# KiCad board FrontEnd_5G.kicad_pcb (continued)
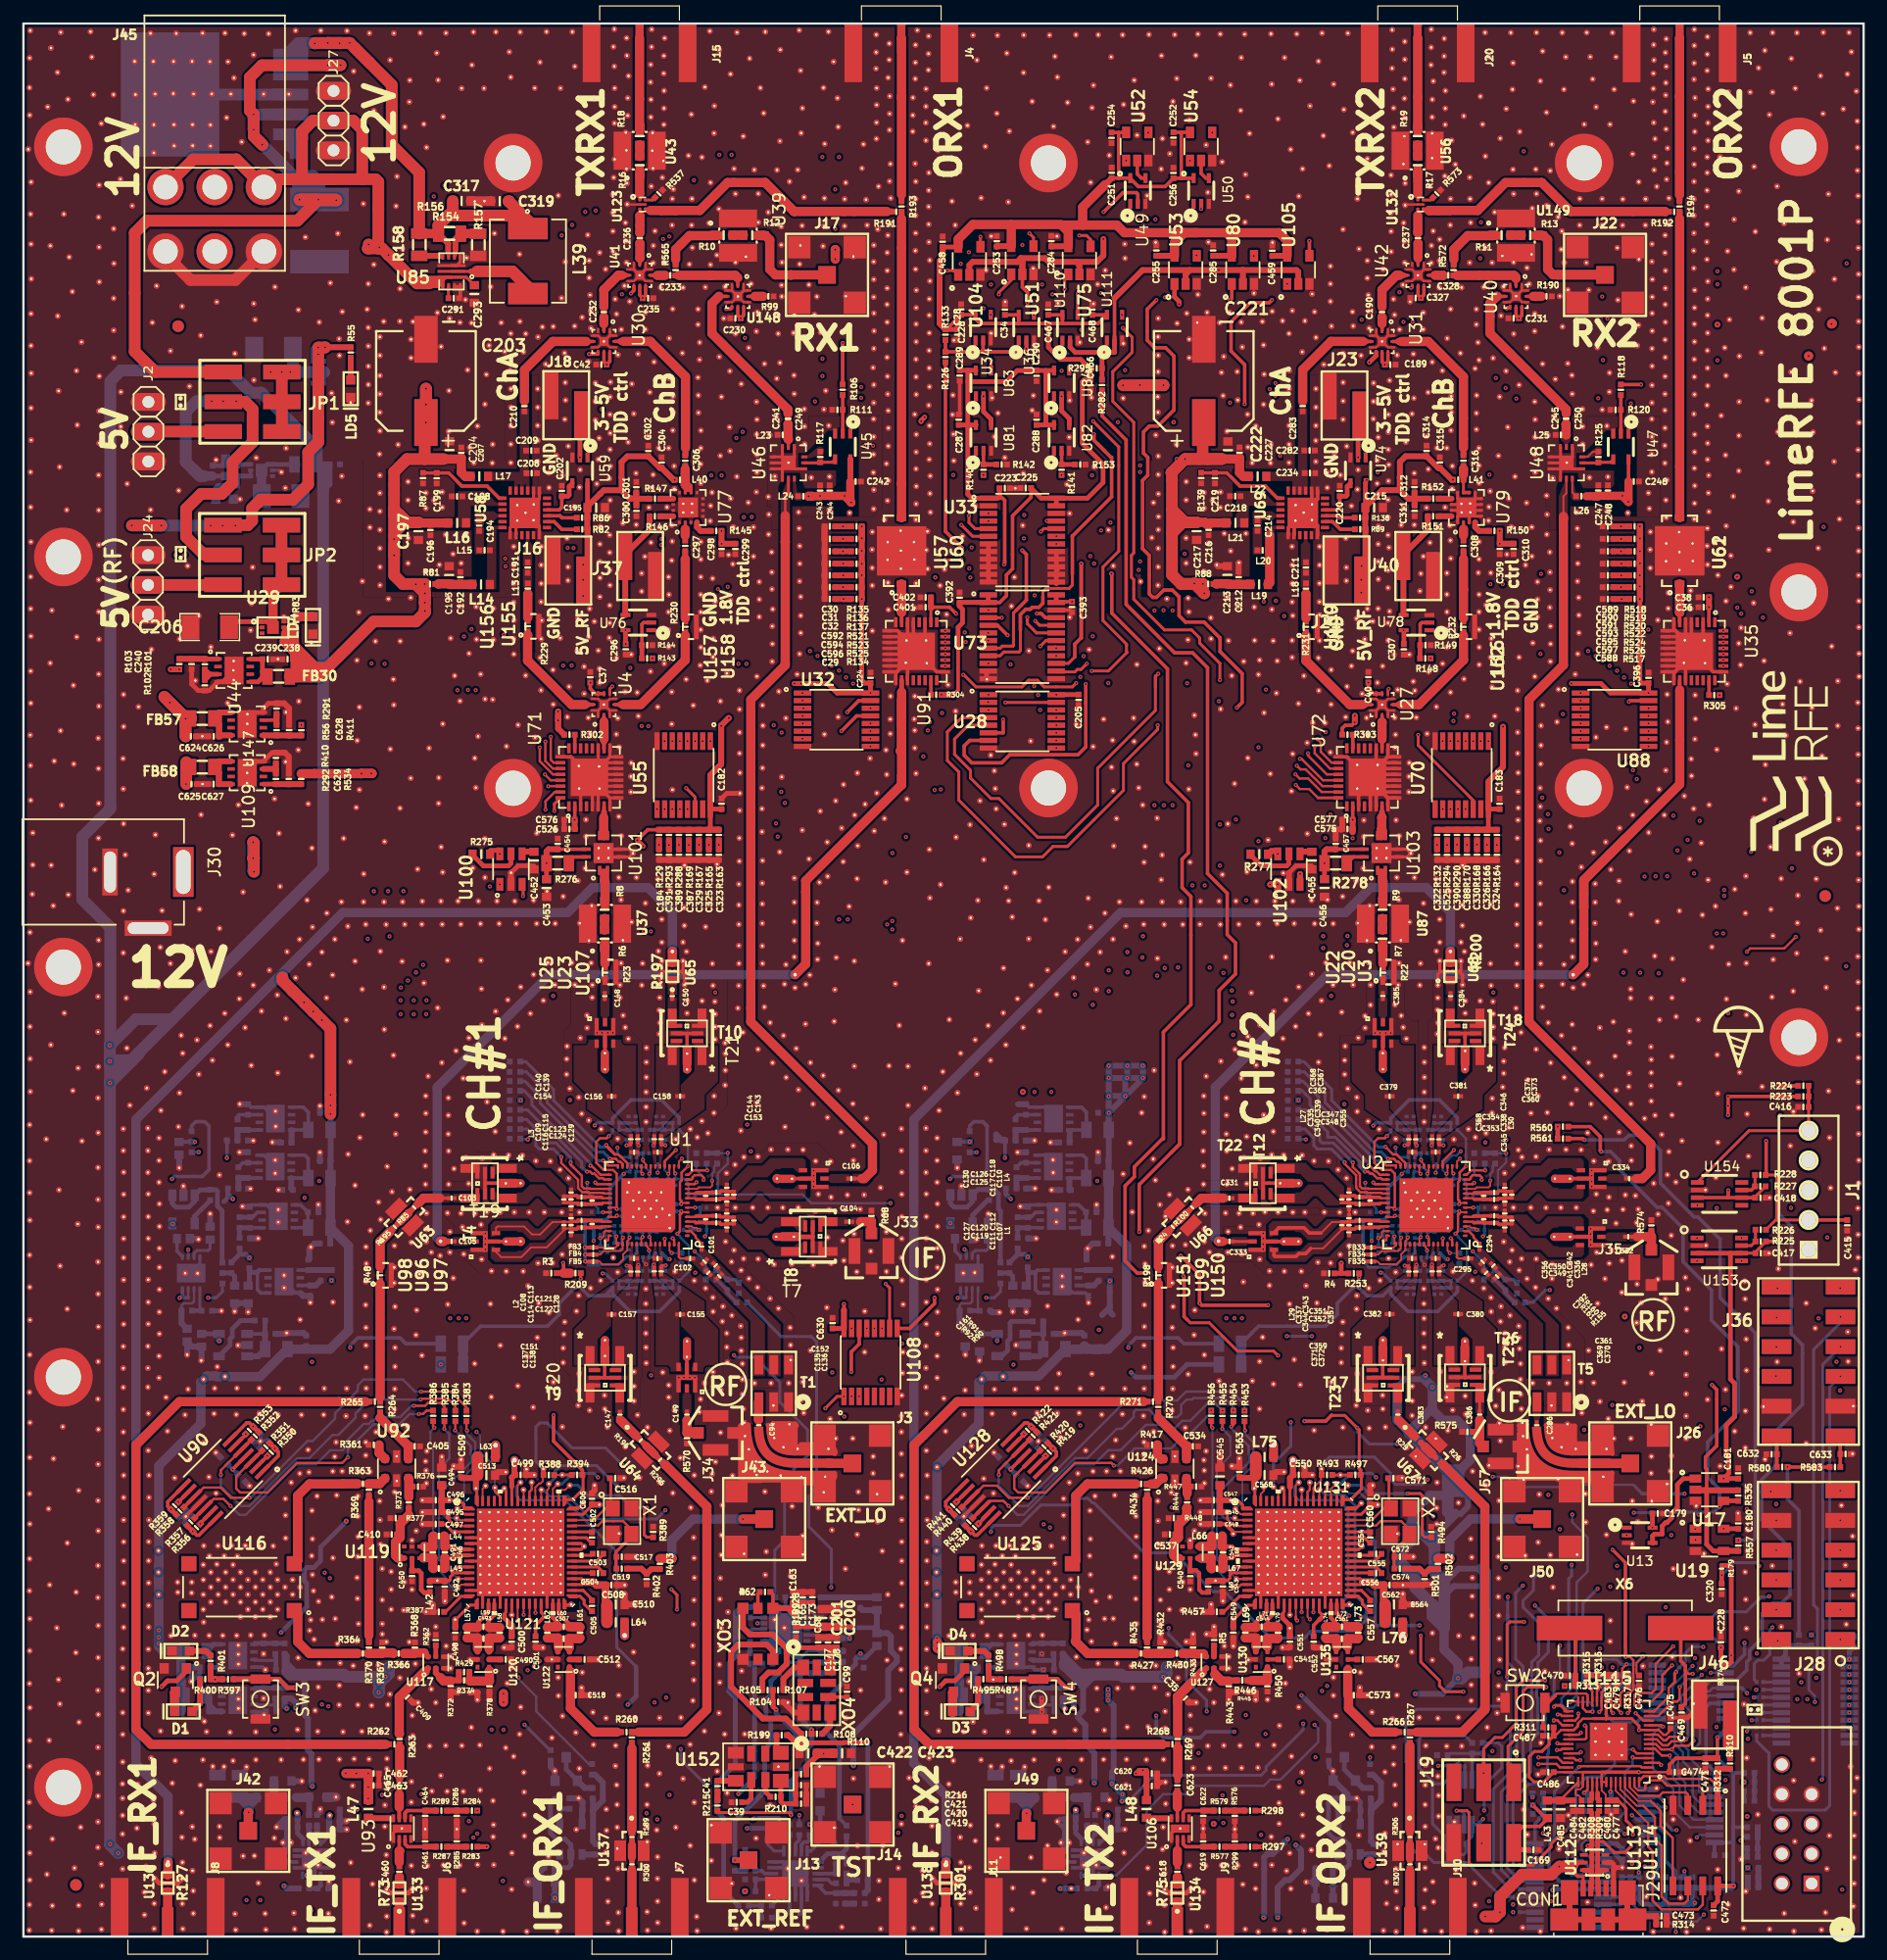
[diagram p0: board, top side]
## Routing (per net, layer and track width the routed paths; a pad name or vN(x,y) marks a point on that pad's centre or on a via; arc(x,y) is an arc through that point) (continued)
EXT_PLL_SSENn: length 88.1
  F.RO w0.3: v2(67.13,9.57) 67.13,9.56
  F.FR4 w0.25: 85.96,5.06 87.49,3.53 89.97,3.53 90.1,3.67 93.91,3.67 94.25,4
  F.FR4 w0.3: 120.82,5.42 120.05,5.42 119.59,4.95 117.03,4.95 116.53,5.45 109.11,5.45 108.45,4.8 107.48,4.8 107.13,5.14 100.74,5.14 100.34,4.75 97.49,4.75 97.38,4.86 95.1,4.86 94.25,4 ; 120.82,5.42 120.85,5.42 ; 120.82,5.42 121.2,5.42 121.82,4.8 122.85,4.8 123.17,5.12 131.31,5.12 132.27,4.16 138.83,4.16 139.21,4.54 140.79,4.54 v2(141.83,5.59) ; 85.96,5.06 80.62,5.06 80.1,5.58 77.83,5.58 76.3,7.11 75.33,7.11 73.67,8.77 68.02,8.77 67.22,9.57 v2(67.13,9.57)
  B2.RO w0.3: U11.3 139.67,9.33 140.2,8.79 140.2,6.45 141.05,5.6 C96.1 C98.1 ; C98.1 141.83,5.11 v2(141.83,5.59) ; C98.1 R71.1
g_TX\rx_1: length 182.5
  F.RO w0.2: 131.67,18.03 131.68,18.03 ; 131.41,18.03 130.98,18.46 v2(130.68,18.46) ; 131.41,18.03 U115.32 131.41,18.03
  F.RO w0.25: v2(107.13,49.59) 106.75,49.97 103.67,49.97 101.26,52.38 99.64,52.38 99.38,52.64 ; v2(119.32,25.68) 119.32,23.44 120.92,21.84 120.92,21.4 121.42,20.9 v2(122.96,20.9) ; 130.68,18.48 130.68,18.38 130.68,18.48
  F.RO w0.3: v1(80.15,118.49) 80.15,118.5 78.73,119.92 R126.2 ; v1(92.91,116.31) 92.86,116.31 92.94,116.31 92.94,112.94 97.69,108.19 97.69,98.56 99.47,96.78 99.47,92.48 98.94,91.95 98.94,89.51 99.69,88.76 99.69,79.54 97.34,77.19 97.34,68.17 ; 97.34,68.17 97.34,68.08 97.31,68.05 ; 97.34,68.17 94.86,65.69 94.86,64.85 94.07,64.06 94.07,57.66 95.1,56.63 v1(95.81,56.63) ; v2(99.05,56.36) 99.11,56.3 99.11,52.91 99.38,52.64
  F.FR4 w0.2: v2(129.75,8.81) 129.99,8.57 132.88,8.57 133.08,8.77 135.08,8.77 v2(135.11,8.74)
  F.FR4 w0.25: 126.08,18.03 125.58,18.53 124.03,18.53 122.94,19.62 122.94,20.88 v2(122.96,20.9) ; 130.49,18.38 130.16,18.05 ; 130.16,18.05 130.14,18.03 128.44,18.03 ; 130.16,18.05 130.57,18.46 ; 130.16,18.05 130.57,18.46 ; 130.57,18.46 v2(130.68,18.46) 130.57,18.46
  F.FR4 w0.3: v1(95.81,56.63) 96.01,56.43 98.98,56.43 v2(99.05,56.36) ; 128.44,18.03 126.08,18.03 ; v1(80.15,118.49) 80.9,117.74 84.25,117.74 84.74,117.25 88.85,117.25 89.79,116.31 v1(92.91,116.31)
  B.FR4 w0.2: 130.4,12.42 130.4,15.59 130.4,15.78 130.4,17.54 130.68,17.82 ; 130.68,17.82 130.68,18.38 ; 130.68,17.82 v2(130.68,18.46)
  B.FR4 w0.25: 116.29,39.99 116.29,40.94 114.44,42.79 111.57,42.79 108.1,46.26 108.1,48.62 v2(107.13,49.59) ; 116.29,39.99 116.29,39.93 ; 116.29,39.99 116.29,38.52 118.14,36.67 118.14,34.77 119.83,33.08 119.83,31.22 119.22,30.61 119.22,28.88 120.25,27.85 120.25,26.61 v2(119.32,25.68) ; v2(129.75,8.81) 130.4,9.46 130.4,12.42
  B2.RO w0.2: R175.1 135.13,8.5 R173.2
  B2.RO w0.3: 135.11,8.53 v2(135.11,8.74) 135.11,8.74 R175.1 135.11,8.53
g_TX\rx_2: length 190.5
  F.RO w0.2: 132.14,17.23 131.93,17.23 ; 131.93,17.23 U115.34 132.82,17.23 v2(132.99,17.4) ; 131.93,17.23 132.63,17.23
  F.RO w0.3: 98.74,74.76 98.74,67.64 ; 98.74,74.76 98.74,67.64 ; 98.74,74.76 102.1,78.12 102.1,80.75 103.5,82.15 103.5,84.8 102.79,85.51 102.79,89.04 101.11,90.72 101.11,108.29 99.84,109.56 98.29,109.56 94.16,113.69 94.16,127.72 92.1,129.78 R282.2 ; 98.74,67.64 97.99,66.9 ; 98.74,67.64 97.99,66.9 ; 97.99,66.9 95.28,64.18 v1(95.28,60.15) ; v2(106.27,53.89) 106.26,53.88 100.61,53.88 v2(100.45,54.04) 100.43,54.06 100.43,56.49 v2(98.82,58.1)
  F.FR4 w0.2: v2(132.99,17.4) 133.03,17.44 128.41,17.44 126.8,15.83 v2(125.43,15.83)
  F.FR4 w0.25: 125.33,31.5 123.74,33.09 121,33.09 119.38,34.71 119.38,35.55 119.69,35.86 v2(120.39,35.86)
  F.FR4 w0.3: 125.33,31.5 v2(126.58,31.5) ; v2(98.82,58.1) 98.81,58.11 95.43,58.11 94.83,58.71 94.83,59.7 v1(95.28,60.15)
  B.FR4 w0.2: 133.74,16.96 133.3,17.4 v2(132.99,17.4)
  B.FR4 w0.25: 133.74,16.96 133.74,15.13 134.11,14.76 134.11,13.86 134.74,13.23 134.74,10.17 135.17,9.74 135.56,9.74 136.54,8.76 v2(136.73,8.76) ; 119.83,38.25 120.1,37.98 120.1,36.15 v2(120.39,35.86) ; 127.6,18 127.6,20.6 128.05,21.05 128.05,23.19 129.7,24.84 129.7,27.68 130.06,28.04
  B.FR4 w0.3: v2(100.45,54.04) 100.46,54.05 100.46,56.24 98.82,57.88 v2(98.82,58.1) ; v2(106.27,53.89) 110.48,49.68 110.48,45.3 112.7,45.3 113.76,44.24 115.01,44.24 115.69,43.56 115.69,42.58 118.34,39.93 118.34,38.68 118.77,38.25 119.83,38.25 ; 130.06,28.04 130.06,29.56 128.12,31.5 v2(126.58,31.5) ; 127.6,18 127.21,17.61 127.21,17.12 125.92,15.83 v2(125.43,15.83)
  B2.RO w0.2: R173.1 135.39,9.36 R176.1
  B2.RO w0.25: v2(136.73,8.76) 136.44,9.06 R173.1
IF_IN_A_#1: length 2
  F.RO w0.5: 72.37,61.01 R68.2
  F.RO w0.79: 71.48,61.01 72.37,61.01 R68.2 J33.1
IF_IN_C_#1: length 3.3
  F.RO w0.79: U63.1 30.46,59.32 U96.2
IF_IN_C_#2: length 4.4
  F.RO w0.5: 96.9,59.31 97.7,60.11 U66.1
  F.RO w0.79: U66.1 96.9,59.33 96.92,59.31 U99.2
IF_OUT_A_#2: length 3.7
  F.RO w0.4: 124.35,42.11 J57.1 ; C386.2 124.35,44.1
  F.RO w0.5: 124.35,43.38 124.04,43.07 R575.2
  F.RO w0.79: J57.1 124.35,42.11 124.35,44.1
IF_OUT_B_#1: length 124.9
  F.RO w0.79: 55.42,84.07 55.41,84.06 R197.1 ; R127.2 12.32,5.27 12.35,5.3 12.35,6.36
  B2.RO w0.79: 55.42,84.07 55.42,87.44 53.34,89.52 48.59,89.52 46.46,87.39 27.27,87.39 9.61,69.73 9.61,14.71 12.35,11.97 12.35,6.36 12.34,6.37
IF_OUT_B_#2: length 125.1
  F.RO w0.79: 121.85,84.07 121.84,84.06 R200.1 ; 78.79,6.35 78.76,6.32 R301.2
  B2.RO w0.79: 76.03,18.11 76.03,17.76 ; 76.03,18.11 76.02,18.1 76.02,14.81 78.79,12.04 78.79,6.35 ; 76.03,18.11 76.03,69.72 93.7,87.39 112.9,87.39 115.04,89.53 119.78,89.53 121.85,87.46 121.85,84.07
IF_OUT_D_#1: length 29.6
  F.RO w0.5: R260.1 52.53,17.45
  F.RO w0.79: 58.36,35.49 58.36,19.38 56.43,17.45 52.53,17.45 ; 58.36,35.49 58.36,36.7 U64.3 ; 58.36,35.49 58.35,35.5
IF_OUT_D_#2: length 41.3
  F.RO w0.5: 124.8,27.82 124.8,27.35 ; R266.1 118.97,17.45
  F.RO w0.79: 122.87,17.45 124.8,19.38 124.8,27.86 124.8,27.82 ; 122.87,17.45 118.97,17.45 ; 122.87,17.45 124.79,19.37 124.79,36.7 121.25,40.24 U67.3
LMS8001_#1_RESETn: length 157.8
  F.RO w0.15: U1.18 U1.18
  F.RO w0.2: v2(55.71,67.12) 54.76,66.17 U1.18
  F.RO w0.25: v2(61.8,69.3) 61.8,69.28
  F.FR4 w0.2: 132.1,11.25 132.72,11.25 132.94,11.03 134.14,11.03 134.62,11.51 136.98,11.51 137.37,11.12 137.37,10.34 137.32,10.39
  F.FR4 w0.25: v2(108.96,13.19) 113.86,13.19 114.98,12.06 119.88,12.06 120.62,12.81 121.71,12.81 121.88,12.97 130.18,12.97 131.9,11.25 132.1,11.25 ; v2(55.71,67.12) 56.11,67.53 58.81,67.53 60.58,69.3 v2(61.8,69.3) ; v2(54.88,20.4) 55.83,19.45 56.46,19.45 56.82,19.09 58.11,19.09 58.8,19.78 61.02,19.78 62.1,18.69 69.16,18.69 69.99,19.52 71.51,19.52 72.8,18.23 76.6,18.23 77.96,16.87 92.88,16.87 92.88,16.86 94.23,16.86 ; 137.32,10.39 v2(137.35,10.36)
  F.FR4 w0.3: 94.23,16.86 95.23,17.86 95.23,18.31 95.77,18.85 v2(96.73,18.85)
  B.FR4 w0.25: 108.24,13.78 108.83,13.19 v2(108.96,13.19) ; v2(61.8,69.3) 62.34,69.3 63.09,68.55 63.09,66.89 63.37,66.61 63.37,64 62.88,63.5 62.88,59.61 63.41,59.08 63.41,55.12 62.98,54.7 62.98,49.58 61.57,48.17 60.75,48.17 60.61,48.03 60.61,40.62 59.55,39.56 59.55,37.59 56.44,34.48 56.44,29.78 54.88,28.23 v2(54.88,20.4)
  B.FR4 w0.3: v2(103.41,17.48) 104.41,17.48 104.76,17.13 104.76,16.1 105.11,15.75 106.27,15.75 108.24,13.78
  B2.RO w0.25: v2(137.35,10.36) 137.73,9.98 U11.4
  B2.RO w0.3: v2(96.73,18.85) 96.73,17.58 97.33,16.98 100.49,16.98 100.99,17.48 v2(103.41,17.48)
LMS8001_#1_SSENn: length 161.9
  F.RO w0.15: v2(58.81,64.5) 58.81,64.09 58.66,63.94 57.66,63.94 57.53,63.81 U1.11
  F.FR4 w0.25: 108.66,9.53 109.93,9.53 110.54,8.93 112.26,8.93 113.12,8.07 116.59,8.07 117.06,8.54 119.87,8.54 120.46,9.13 126.13,9.13 128.04,7.22 130.51,7.22 130.88,6.85 133.18,6.85 133.7,6.33 134.23,6.33 135.31,5.25 136.93,5.25 137.09,5.41 137.88,5.41 v2(137.94,5.47) ; 108.66,9.53 107.97,10.23 ; 108.66,9.53 107.97,10.23 ; 107.97,10.23 106.61,10.23 106.16,9.78 102.55,9.78 102.47,9.7 v2(102.46,9.7) ; v2(53.89,19.99) 54.06,19.99 55.15,18.9 55.15,18.36 55.69,17.81 57.31,17.81 57.79,18.3 59.12,18.3 59.43,17.99 63.54,17.99 63.93,17.6 66.22,17.6 66.87,18.25 68.09,18.25 69,17.34 72.65,17.34 73.45,16.53 76.35,16.53 76.97,15.92 97.57,15.92 97.83,15.66 v2(100.34,15.66)
  B.FR4 w0.2: 59.98,62.96 61,63.98 61,65.17 61.39,65.56 61.39,65.96 60.94,66.41 60.94,67.38 60.61,67.71 59.75,67.71 58.91,66.86 58.91,64.61 58.81,64.51 v2(58.81,64.5)
  B.FR4 w0.25: v2(53.89,19.99) 53.89,37.38 55.16,38.65 55.16,41.37 58.66,44.86 58.66,47.54 57.57,48.63 57.57,55.48 58.92,56.83 58.92,59.69 59.98,60.75 59.98,62.96 ; v2(100.34,15.66) 100.59,15.41 100.59,11.74 102.46,9.87 v2(102.46,9.7)
  B2.RO w0.2: v2(58.81,64.5) 58.81,65.09 58.98,65.27 58.98,65.72 R211.1 ; R58.1 C47.1 C48.1
  B2.RO w0.25: v2(137.94,5.47) R58.1 137.94,7.37 U11.1
LMS8001_#2_RESETn: length 81.3
  F.RO w0.2: v2(122.15,67.12) 121.2,66.17 U2.18
  F.FR4 w0.25: v2(124.83,67.78) 125.04,67.99 v2(126.62,67.99) ; v2(145.34,13.36) 145.34,13.27 v2(141.16,9.09)
  B.FR4 w0.2: 141.62,23.72 141.62,22.98 141.87,22.73 141.87,22.03 143.97,19.93 143.97,14.7 145.3,13.36
  B.FR4 w0.25: 128.3,68.38 128.59,68.38 129.68,67.28 129.68,66.7 131,65.38 131.4,65.38 131.4,63.83 132.01,63.22 132.01,61.59 132.97,60.64 132.97,56.59 135.47,54.09 135.47,49.99 140.46,45 140.46,42.56 141.95,41.08 141.95,39.75 141.01,38.81 141.01,35.16 141.51,34.66 141.51,32.25 141.58,32.18 141.58,30.87 141.46,30.75 141.46,26.06 141.62,25.9 141.62,23.72 ; 128.3,68.38 128.28,68.38 ; 128.3,68.38 127.35,68.38 126.96,67.99 v2(126.62,67.99) ; v2(124.83,67.78) 124.65,67.59 122.62,67.59 v2(122.15,67.12) ; 145.3,13.36 v2(145.34,13.36)
  B2.RO w0.25: v2(141.16,9.09) 140.79,9.09 140.07,9.81 140.07,10.31 139.76,10.62 U11.5
LMS8001_#2_SSENn: length 85.9
  F.RO w0.15: v2(125.25,64.5) 125.25,64.09 125.1,63.94 124.1,63.94 123.97,63.81 U2.11
  B.FR4 w0.25: 139.55,28.58 139.54,28.56 139.54,28.05 ; 139.54,28.05 139.54,26.9 138.86,26.22 138.86,21.14 139.1,20.9 139.1,18.34 138.62,17.86 138.62,14.61 138.73,14.5 138.73,13.66 138.22,13.15 138.22,11.63 138.73,11.12 138.73,6.26 v2(138.45,5.99) ; 139.54,28.05 139.54,31.04 138.98,31.6 138.98,33.75 139.77,34.54 139.77,35.27 139.45,35.59 138.86,35.59 138.15,36.3 138.15,44.46 132.88,49.73 132.88,54.83 131.36,56.34 131.36,60.56 130.61,61.31 130.61,62.96 128.46,65.11 128.46,67.14 127.9,67.7 127.38,67.7 127.07,67.39 126.17,67.39 125.44,66.65 125.44,64.69 v2(125.25,64.5)
  B2.RO w0.2: R255.1 125.47,65.76 125.47,65.31 125.25,65.09 v2(125.25,64.5) ; R61.1 C56.1 C83.1
  B2.RO w0.25: 139.48,5.82 139.32,5.99 v2(138.45,5.99)
  B2.RO w0.3: C56.1 139.48,5.82 139.67,6.01 139.67,8.48 139.48,8.68 U11.2
MISO_2: length 212.3
  F.RO w0.15: R388.1 44.36,39.34 44.36,38.88 44.15,38.67 44.04,38.67 43.71,38.34 43.71,38.01 U121.54 ; R493.1 110.8,39.34 110.8,38.94 110.15,38.29 U131.54
  F.RO w0.2: v2(140.78,23.15) 139.95,22.31 139.95,20.98 139.04,20.07 U115.15 137.96,20.35
  F.RO w0.25: 110.81,39.45 R493.1 ; 44.37,40.02 44.36,40.03 ; v2(144.82,36.68) 145.17,37.03 145.17,37.19 ; J19.1 127.27,14.17 126.77,14.67 126.77,16.23 128.06,17.52 128.06,20.94 128.41,21.29 v2(130.03,21.29) ; R388.1 44.37,39.43
  F.RO w0.3: v2(134.73,66.99) 134.65,67.07 134.65,68.26 133.79,69.12 R560.1
  F.RO w0.4: 44.41,39.9 44.4,39.91 44.4,39.4 R388.1 ; 110.84,39.91 110.84,39.42 R493.1 ; R535.1 146.42,37.19 145.17,37.19
  F.FR4 w0.2: v2(142.73,23.77) 141.46,23.77 ; v2(140.78,23.15) 138.9,21.26 132.36,21.26 131.88,20.78 131.31,20.78 130.81,21.29 v2(130.03,21.29) ; 89.63,40.94 92.06,40.94 92.71,41.59 93.48,41.59 94.64,40.43 96.07,40.43
  F.FR4 w0.25: 110.84,39.91 108.11,42.65 106.31,42.65 105.53,41.87 101.41,41.87 101.32,41.96 100.17,41.96 98.64,40.43 96.07,40.43 ; 141.46,23.77 140.84,23.15 v2(140.78,23.15) ; 89.63,40.94 89.63,42.58 88.14,44.07 84.55,44.07 82.04,41.56 82.04,40.67 79.94,38.57 58.82,38.57 57.13,40.25 v2(51.15,40.25) ; v2(137.51,36.17) 136.66,36.17 135.99,36.84 129.4,36.84 128.81,37.43 127.61,37.43 127.15,37.89 125.47,37.89 125.24,37.66 124.39,37.66 123.44,38.61 121.8,38.61 121.07,39.34 120.25,39.34 v2(119.91,39)
  B.FR4 w0.2: v2(142.73,23.77) 142.69,23.72 142.59,23.82 142.59,25.82 142.76,25.99 142.73,26.01
  B.FR4 w0.25: v2(143.04,36) 143.29,35.75 143.29,33.4 142.92,33.03 142.92,32.23 143.23,31.92 143.23,28.97 142.73,28.47 142.73,26.01
  B2.RO w0.2: 44.4,39.91 44.46,39.91
  B2.RO w0.25: 44.4,39.91 43.76,40.55 43.76,42.54 43.76,42.54 43.76,43.5 44.09,43.83 44.72,43.83 46.86,41.7 49.71,41.7 v2(51.15,40.25) ; 142.87,36.23 141.82,36.23 141.77,36.18 139.17,36.18 139.16,36.17 v2(137.51,36.17) ; 142.87,36.23 143.04,36.06 v2(143.04,36) ; 142.87,36.23 144.37,36.23 v2(144.82,36.68) ; v2(119.91,39) 119.51,38.6 117.16,38.6 116.77,38.99 116.77,39.5 115.34,40.93 111.53,40.93 110.84,40.23 110.84,39.91
  B2.RO w0.3: v2(134.73,66.99) 135.52,66.99 136.29,66.22 136.29,65.45 139.5,62.24 139.92,62.24 141.71,60.45 141.71,57.6 144.14,55.17 144.14,52.6 146.4,50.34 146.4,44.79 143.82,42.21 143.82,39.18 144.82,38.18 v2(144.82,36.68)
MOSI_2: length 235.3
  F.RO w0.15: U121.53 44.21,38.11 44.23,38.13 ; 110.68,38.13 110.65,38.1 U131.53
  F.RO w0.2: v2(136.81,23.88) 137.18,23.88 137.47,23.58 137.47,22.82 137.47,21.43 137.47,21.09 137.2,20.81 137.01,20.81 136.76,20.57 U115.18
  F.RO w0.25: 136.81,31.9 v2(135.7,33) 136.77,31.94 136.77,24.68 136.78,24.68 136.78,23.91 v2(136.81,23.88) 136.81,31.9
  F.RO w0.3: 133.29,68 v2(133.29,67.99) 133.18,68.1 R561.1
  F.FR4 w0.2: v2(125.97,22.53) 126.79,23.36 130.1,23.36 130.33,23.12 131.66,23.12 132.51,23.97 135.83,23.97 135.93,23.88 v2(136.81,23.88)
  F.FR4 w0.25: v2(82.61,34.54) 82.11,34.04 79.51,34.04 77.3,36.25 72.65,36.25 71.72,35.33 66.68,35.33 65.85,36.16 60.86,36.16 60.85,36.15 58.22,36.15 57.04,37.33 55.75,37.33 v2(54.81,36.39) ; v2(114.19,27.27) 115.09,27.27 115.3,27.48 120.31,27.48 122.63,29.8 126.32,29.8 128.21,31.69 128.79,31.69 130.52,33.42 135.3,33.42 135.75,32.97 138.27,32.97 138.81,33.5 141.83,33.5 142.18,33.86 v2(142.78,33.86)
  F.FR4 w0.3: v2(142.78,33.86) 142.82,33.81 v2(146.43,33.81)
  B.FR4 w0.25: v2(125.97,22.53) 126.24,22.81 127.04,22.81 127.41,22.44 127.41,21.52 126.83,20.94 126.83,18.48 124.02,15.67 124.02,13.74 123.14,12.86 123.14,10.09 124.52,8.71 v2(124.52,7.95)
  B.FR4 w0.3: 124.52,7.93 124.52,8.71 ; 124.52,7.93 v2(124.52,7.95) 124.52,7.93
  B2.RO w0.2: 50.23,35.64 48.46,35.64 46.51,37.59 44.91,37.59 44.37,38.13 44.23,38.13 ; 113.71,36.79 112.81,37.69 111.16,37.69 110.72,38.13 110.68,38.13 ; 82.66,34.59 v2(82.61,34.54)
  B2.RO w0.25: 113.71,36.79 113.71,29.14 114.66,28.19 114.66,27.51 ; 114.66,27.51 114.41,27.27 114.18,27.27 ; 114.66,27.51 114.66,27.04 ; 114.66,27.04 113.66,26.04 109.96,26.04 109.41,25.49 106.51,25.49 102.56,29.44 101.56,29.44 98.26,32.74 95.71,32.74 94.96,33.49 94.95,33.49 91.42,37.02 91.28,37.02 90.9,37.4 90,37.4 89.43,36.83 86.87,36.83 85.13,35.09 82.86,35.09 82.66,34.89 82.66,34.59 ; 114.66,27.04 114.43,27.27 114.18,27.27 ; v2(54.81,36.39) 54.06,35.64 50.23,35.64 ; 114.18,27.27 v2(114.19,27.27) ; v2(142.78,33.86) 142.78,33.85
  B2.RO w0.3: 146.43,33.81 v2(146.43,33.81) 147.66,33.81 147.88,34.03 147.88,51.52 144.88,54.52 144.88,59.52 142.98,61.42 142.66,61.42 139.79,64.29 139.79,67.08 138.49,68.38 137.09,68.38 136.7,67.99 v2(133.29,67.99)
RF_IN_A_#2: length 4.8
  F.RO w0.3: C332.1 137.8,59.73
  F.RO w0.5: R574.2 J35.1
  F.RO w0.79: 139.01,59.73 139.01,59.39 ; 139.01,59.73 J35.1 ; 139.01,59.73 137.8,59.73
RF_IN_B_#1: length 66.5
  F.RO w0.2: 65.05,121.26 65.05,122.9 ; 65.05,119.01 65.05,119.09
  F.RO w0.25: 65.05,122.9 65.32,123.17 U46.8
  F.RO w0.3: C106.1 71.6,64.69
  F.RO w0.79: 65.05,119.06 65.05,108.5 62.11,105.56 62.11,78.06 72.5,67.67 72.5,65.39 71.8,64.69 71.6,64.69 ; 65.05,119.09 65.05,121.26
RF_IN_B_#2: length 66.4
  F.RO w0.15: U48.8 131.75,123.17 131.5,122.92 131.5,121.02
  F.RO w0.3: 137.4,64.71 C334.1 137.39,64.7
  F.RO w0.79: 137.75,64.69 138.24,64.69 138.95,65.4 138.95,67.66 128.56,78.05 128.56,105.57 131.5,108.51 131.5,121.2
RF_IN_D_#1: length 87.1
  F.RO w0.25: 74.99,103.53 74.99,101.75
  F.RO w0.4: U91.18 74.99,106.2
  F.RO w0.5: 35.86,59.33 C105.1
  F.RO w0.79: 35.85,59.34 35.86,59.33 ; 35.85,59.34 35.61,59.34 35.85,59.34 ; 74.99,101.29 74.87,101.18 74.99,101.29 ; 74.99,101.29 74.99,105.54 ; 74.99,101.29 74.99,105.54 ; 74.99,101.29 74.99,99.08 ; 74.99,105.54 74.99,103.22 ; 74.99,105.54 74.99,106.2 ; 74.99,98.3 74.99,98.29 ; 74.99,98.3 74.99,99.08 ; 74.99,98.3 66.8,90.11 66.8,83 65.89,82.09 ; 74.99,98.3 74.99,99.08
  B2.RO w0.79: 65.89,82.09 44.94,82.09 35.33,72.48 35.33,59.62 35.61,59.34
RF_IN_D_#2: length 84.8
  F.RO w0.3: 141.42,107.22 141.42,106.41 141.43,106.4
  F.RO w0.5: 102.07,59.33 102.05,59.35 ; 102.73,59.33 102.38,59.33
  F.RO w0.79: 102.05,59.35 102.07,59.33 102.38,59.33 ; 141.43,106.4 141.43,98.34 136.76,93.67 ; 136.76,93.67 135.53,92.44 ; 136.76,93.67 133.24,90.15 ; 135.49,92.39 135.49,92.4 135.53,92.44 ; 135.53,92.44 133.24,90.15 ; 133.24,90.15 133.24,87.82 ; 133.24,90.15 133.24,87.82 ; 133.24,87.82 133.24,82.99 132.33,82.08
  B2.RO w0.79: 102.05,59.35 101.77,59.63 101.77,72.48 111.38,82.09 132.34,82.09
RF_OUT_A_#1: length 4.2
  F.RO w0.5: J34.1 56.67,42.98 56.66,42.99 C149.2
  F.RO w0.79: J34.1 56.67,42.98 56.67,44.05 56.66,44.06
SC1905_#1_LOADENB: length 135.1
  F.RO w0.2: 40.26,38.31 40.26,37.98 40.71,37.53 U121.60 ; U115.27 133.16,19.5 133.47,19.19 133.81,19.19 133.8,19.19 v2(133.99,19.19)
  F.FR4 w0.25: 115.92,42.75 112.26,42.75 109.67,45.34 107.24,45.34 106.02,44.12 96.57,44.12 96.17,43.72 93.45,43.72 92.96,44.21 92.96,44.61 92.28,45.28 84.12,45.28 82.73,43.9 82.12,43.9 79.43,41.21 77.95,41.21 76.92,40.18 72.04,40.18 71.95,40.09 64.63,40.09 63.6,41.12 62.27,41.12 62.04,40.89 60.63,40.89 60.23,41.28 57.89,41.28 57.75,41.43 54.57,41.43 54.22,41.08 50.69,41.08 49.65,42.12 41.93,42.12 40.98,43.06 v2(38.69,43.06) ; 115.92,42.75 116.09,42.75 ; 115.92,42.75 119.04,42.75 121.46,40.33 123.27,40.33 123.81,40.88 128.39,40.88 128.43,40.84 ; 128.43,40.84 130.15,39.12 ; 128.43,40.84 130.21,39.06 v2(130.21,37.7)
  B.FR4 w0.25: v2(132.2,31.73) 131.93,32 131.93,35.03 130.21,36.75 v2(130.21,37.7)
  B2.RO w0.15: v2(38.69,43.06) 39,42.75 39,41.38 40.26,40.12 40.26,38.31
  B2.RO w0.2: v2(133.99,19.19) 133.99,19.74 133.7,20.03 132.83,20.03 132.34,19.54 131.63,19.54 131.34,19.83 131.34,20.34 132.19,21.19 132.19,21.87 131.95,22.11
  B2.RO w0.25: 131.95,22.09 131.95,30.53 132.2,30.78 v2(132.2,31.73)
SC1905_#1_RESETn: length 187.4
  F.RO w0.25: R394.1 47.79,39.34 47.79,38.18 46.9,37.29 46.33,37.29 U121.49
  F.RO w0.3: 45.26,44.49 v2(45.27,44.49) 45.27,42.28 47.38,40.17 47.38,40.16 47.73,39.81 R394.1
  F.RO w0.4: v2(23.18,21.24) 22.56,21.24 21.83,21.97 SW3.2 ; v2(27.57,35.46) 27.57,35.46
  F.RO w0.5: SW3.2 17.93,21.97 R397.1
  F.FR4 w0.25: v2(133.27,43.25) 133.11,43.09 129.71,43.09 129.53,43.27 127.36,43.27 127.14,43.05 123.02,43.05 121.99,44.08 119.19,44.08 118.66,43.55 118.15,43.55 117.65,44.05 113.41,44.05 112.34,45.12 111.12,45.12 110,46.24 107.57,46.24 107.36,46.03 101.63,46.03 101.18,46.48 99.46,46.48 99,46.02 93.77,46.02 92.37,47.42 89.63,47.42 89.56,47.36 88.03,47.36 86.7,46.03 82.87,46.03 78.9,42.06 72.12,42.06 71.13,41.06 64.71,41.06 63.7,42.08 59.28,42.08 58.8,42.56 53.16,42.56 52.74,42.98 45.11,42.98 44.98,43.1 44.98,44.2 v2(45.27,44.49)
  F.FR4 w0.3: v2(27.57,35.46) 27.57,37.95 28.06,38.44 29.7,38.44 30.57,39.31 30.57,41.37 31.21,42.01 32.67,42.01 35.03,44.37 40.33,44.37 41.03,45.07 42.22,45.07 42.89,44.4 45.18,44.4 45.26,44.48
  B.FR4 w0.25: v2(134.42,29.69) 134.31,29.8 134.31,42.21 v2(133.27,43.25)
  B.FR4 w0.4: v2(23.18,21.24) 22.27,21.24 21.58,21.93 21.58,25.54 21.99,25.95 v2(22,25.95) ; v2(27.57,35.46) 27.57,35.59 v2(27.57,35.46)
  B2.RO w0.25: v2(134.42,29.69) 133.17,28.43 133.17,21.77 133.55,21.39 R407.1 ; C602.1 134.94,20.46 135.11,20.29 135.11,18.98 135.78,18.31 137.78,18.31
  B2.RO w0.3: 139.37,18.62 U12.1 138.09,18.62 137.78,18.31 ; R407.1 C602.1 C603.1
  B2.RO w0.4: 24,30.86 24,31.28 24.22,31.5 24.81,31.5 25.38,32.07 25.38,33.23 27.57,35.42 v2(27.57,35.46) ; 24,30.86 24,30.54 ; 24,30.86 24,30.54 ; v2(22,25.95) 24.2,28.15 24.2,30.14 24,30.34 24,30.54
SC1905_#1_SSENn: length 132.1
  F.RO w0.15: U121.52 44.72,37.18 44.72,38.11 44.87,38.26 44.87,38.63
  F.FR4 w0.2: 139.05,9.85 137.07,9.85 136.67,10.25 136.67,10.65 136.3,11.02 135.05,11.02 134.53,10.5 132.68,10.5 132.31,10.87 131.5,10.87 131.49,10.86 131.34,10.86
  F.FR4 w0.25: v2(102.39,12.06) 108.3,12.06 108.85,11.5 109.73,11.5 110.81,10.43 119.93,10.43 120.36,10.86 120.95,10.86 122.48,12.38 129.73,12.38 131.25,10.86 131.34,10.86 ; 139.05,9.85 v2(140.22,11.02) ; v2(98.04,36.62) 93.1,36.62 92.46,37.25 92.46,37.85 92.19,38.12 87.97,38.12 85.73,35.89 81.43,35.89 80.54,35 79.42,35 77.58,36.84 72.08,36.84 71.73,37.19 68.03,37.19 67.65,37.56 64.8,37.56 64.38,37.15 62.87,37.15 62.55,37.47 59.32,37.47 59.17,37.31 58.3,37.31 57.85,37.77 57.85,38.27 55.88,38.27 54.85,39.3 53.76,39.3 52.81,38.34 v2(51.13,38.34)
  B.FR4 w0.25: 98.62,34.99 98.62,36.03 v2(98.04,36.62) ; 98.62,34.99 98.62,34.92 ; 98.62,34.99 98.62,30.93 98.38,30.69 98.38,29.92 98.49,29.81 98.49,28.8 98.38,28.69 98.38,26.93 v2(97.79,26.34) ; v2(101.04,19.22) 101.86,18.4 101.86,12.59 v2(102.39,12.06)
  B2.RO w0.25: 44.87,38.63 45.41,39.17 45.41,39.74 45.86,40.19 48.95,40.19 50.79,38.34 v2(51.13,38.34) ; U11.6 139.51,11.28 139.73,11.06 140.18,11.06 v2(140.22,11.02) ; v2(97.79,26.34) 97.79,25.78 99.31,24.27 99.31,21.88 101.03,20.16 101.03,19.23 v2(101.04,19.22)
SC1905_#2_LOADENB: length 53.3
  F.RO w0.15: 106.74,38.38 107.15,37.97 U131.60
  F.RO w0.2: v2(132.05,20) 132.11,20.07 U115.28
  F.FR4 w0.25: v2(108.22,43.9) 110.79,41.33 114.23,41.33 114.23,41.33 116.24,41.33 118.34,39.23 118.34,38.65 119.28,37.71 123.11,37.71 123.21,37.61 123.21,37.61 124.38,36.44 126.87,36.44 127.09,36.66 128.63,36.66 129.27,36.02 v2(132.26,36.02)
  B2.RO w0.2: 132.05,20.02 v2(132.05,20) 132.63,20.59 132.63,30.23 133.56,31.16 133.56,34.06 132.26,35.36 v2(132.26,36.02)
  B2.RO w0.25: v2(108.22,43.9) 108.22,41.87 106.74,40.38 106.74,38.38
SC1905_#2_RESETn: length 127.1
  F.RO w0.25: R497.1 114.24,39.34 114.24,38.19 113.34,37.29 112.77,37.29 U131.49 ; 114.06,39.93 114.06,43.24 v2(113.88,43.42) 112.82,44.48 111.71,44.48 ; v2(125.47,39.25) 125.47,39.25
  F.RO w0.3: 114.06,39.93 114.18,39.81 R497.1 ; 111.71,44.48 111.71,44.48 111.7,44.49 111.2,43.99 v2(109.39,43.99)
  F.RO w0.4: v2(89.62,21.24) 89,21.24 88.27,21.97 SW4.2 86.67,21.96
  F.RO w0.5: 86.67,21.96 R487.1
  F.FR4 w0.25: v2(90.24,43.62) 90.94,42.92 95.85,42.92 96.43,42.34 98.33,42.34 98.87,42.88 100.65,42.88 ; v2(117.31,42.04) 117.31,41.51 118.9,39.92 121.31,39.92 121.81,39.42 123.32,39.42 123.62,39.12 125.35,39.12 v2(125.47,39.25)
  F.FR4 w0.3: 100.55,42.88 101.57,42.88 101.87,42.58 105.05,42.58 105.85,43.38 106.26,43.38 107.52,44.64 108.74,44.64 v2(109.39,43.99) ; 100.55,42.88 100.51,42.88 100.5,42.87 ; 100.55,42.88 100.65,42.88
  B.FR4 w0.2: 142.09,25.94 142.09,23.53 v2(142.53,23.09)
  B.FR4 w0.25: 142.09,25.94 142.09,27.53 141.96,27.66 141.96,29.47 142.45,29.96 142.45,32.86 142.25,33.06 142.25,37.39 v2(141.84,37.8) ; 90.16,30.71 88.82,32.05 88.82,33.1 88.26,33.66 88.26,34.47 88.62,34.83 88.62,35.1 88.19,35.53 88.19,39.76 90.24,41.81 v2(90.24,43.62)
  B.FR4 w0.3: 90.52,29.14 90.52,29.57 90.72,29.77 90.72,30.1 90.16,30.66 90.16,30.71
  B.FR4 w0.4: v2(89.62,21.24) 88.71,21.24 88.02,21.93 88.02,25.54 90.52,28.04 90.52,29.14
  B2.RO w0.2: 113.88,43.43 v2(113.88,43.42) 113.88,43.09 ; 137.69,38.34 137.48,38.56 131.39,38.56 131.2,38.37 127.55,38.37 126.67,39.25 v2(125.47,39.25) ; U12.2 140.47,19.27 140.82,19.62 140.82,21.38 v2(142.53,23.09)
  B2.RO w0.25: 138.22,37.8 v2(141.84,37.8) 138.22,37.8 ; 138.22,37.8 137.69,38.33 137.69,38.34 ; 113.88,43.09 114.93,42.04 v2(117.31,42.04)
  B2.RO w0.3: U12.2 138.31,19.27 137.94,19.63 R408.1 C604.1 C605.1
SC1905_#2_SSENn: length 63.1
  F.RO w0.15: 111.31,38.63 111.31,38.27 111.17,38.13 111.17,37.19 U131.52
  F.RO w0.3: v2(140.04,11.59) 140.03,11.59
  F.FR4 w0.25: 133.65,27.56 133.88,27.78 136.56,27.78 136.79,27.56
  F.FR4 w0.3: v2(140.23,28.11) 138.4,28.11 137.85,27.56 136.79,27.56 ; v2(119.22,26.56) 120.94,26.56 122.53,28.16 127.07,28.16 127.67,27.56 133.65,27.56
  B.FR4 w0.25: 140.21,20.87 139.49,21.59 139.49,25.79 140.23,26.53 140.23,27.18 140.23,27.17 v2(140.23,28.11)
  B.FR4 w0.3: 140.21,20.87 140.21,20.13 141.37,18.97 141.37,18.37 141.13,18.13 141.13,17.42 141.33,17.22 141.33,12.53 140.42,11.62 140.04,11.62 v2(140.04,11.59)
  B2.RO w0.15: 111.56,38.09 112.91,38.09 113.16,37.84 114.16,37.84
  B2.RO w0.2: 111.56,38.09 111.31,38.34 111.31,38.63 ; 114.16,37.84 114.81,37.19
  B2.RO w0.25: 114.81,37.19 114.81,34.34 115.41,33.74 115.41,26.64 115.32,26.55
  B2.RO w0.3: U11.7 139.7,11.93 v2(140.04,11.59) ; 115.32,26.55 119.21,26.55 v2(119.22,26.56)
SC1905_FB_#1: length 8.8
  F.RO w0.5: 46.71,22.59 46.63,22.67 U122.1 ; R260.2 50.69,17.45
  F.RO w0.79: 46.69,22.61 46.71,22.59 C518.2 46.71,19.48 48.74,17.45 50.69,17.45
SC1905_FB_#2: length 11.7
  F.RO w0.35: 113.08,20.67 C573.2 ; U135.1 113.08,22.76
  F.RO w0.5: 113.15,19.48 115.16,17.47 ; 117.13,17.45 117.13,17.46 117.14,17.45 R266.2
  F.RO w0.79: 117.13,17.45 115.18,17.45 113.15,19.48 C573.2 113.08,20.67 113.08,22.76
SC1905_IN_#1: length 8.9
  F.RO w0.3: 32.09,20.38 C409.2 32.09,20.38 ; 32.09,20.38 32.09,19.67 32.12,19.64 ; 32.09,20.38 32.09,19.96
  F.RO w0.5: 34.26,22.62 34.54,22.89 U117.1
  F.RO w0.79: 34.31,22.62 34.26,22.62 32.09,20.45 32.09,19.96 ; R263.1 32.09,17.34 32.09,19.91
SC1905_IN_#2: length 14.5
  F.RO w0.25: 98.56,19.64 98.56,20.48 98.75,20.67 C35.2
  F.RO w0.5: U127.1 101,22.9 100.67,22.58 ; 98.56,20.32 R269.1 ; 98.56,19.64 98.56,20.07 ; 98.55,19.97 98.55,20.45
  F.RO w0.79: 100.18,22.1 100.65,22.58 100.67,22.58 ; 100.18,22.1 98.55,20.47 98.55,20.45 ; 100.18,22.1 98.56,20.48 98.56,20.07 98.55,19.97 ; R269.1 98.56,20.32
SC1905_OUT_#1: length 8.6
  F.RO w0.5: C405.2 32.88,41.84 30.46,44.26 R264.2
  F.RO w0.79: 30.46,44.26 30.47,44.26 32.89,41.84 C405.2 32.86,41.74 U92.4
SC1905_OUT_#2: length 6.3
  F.RO w0.25: 98.5,42.66 99.32,41.84
  F.RO w0.5: 98.41,42.75 98.5,42.66 ; R270.2 96.9,44.26
  F.RO w0.79: 98.5,42.66 99.32,41.84 C534.2 99.31,41.74 U124.4 ; 98.41,42.75 96.9,44.26
SCLK_2: length 260.2
  F.RO w0.15: U121.51 45.21,38.21 45.63,38.63 ; 112.08,38.63 112.07,38.63 111.65,38.21 U131.51
  F.RO w0.2: v2(58.08,64.58) 58.08,64.79 57.89,64.98 57.31,64.98 57.14,64.81 57.14,64.71 57.04,64.61 U1.13 ; v2(124.52,64.58) 124.52,64.79 124.33,64.98 123.75,64.98 123.58,64.81 123.58,64.71 123.48,64.61 U2.13 ; v2(137,19.08) 137.16,19.24 U115.17